# Altium PCB EPS_v4.PcbDoc (part 1 of 2) (continued)
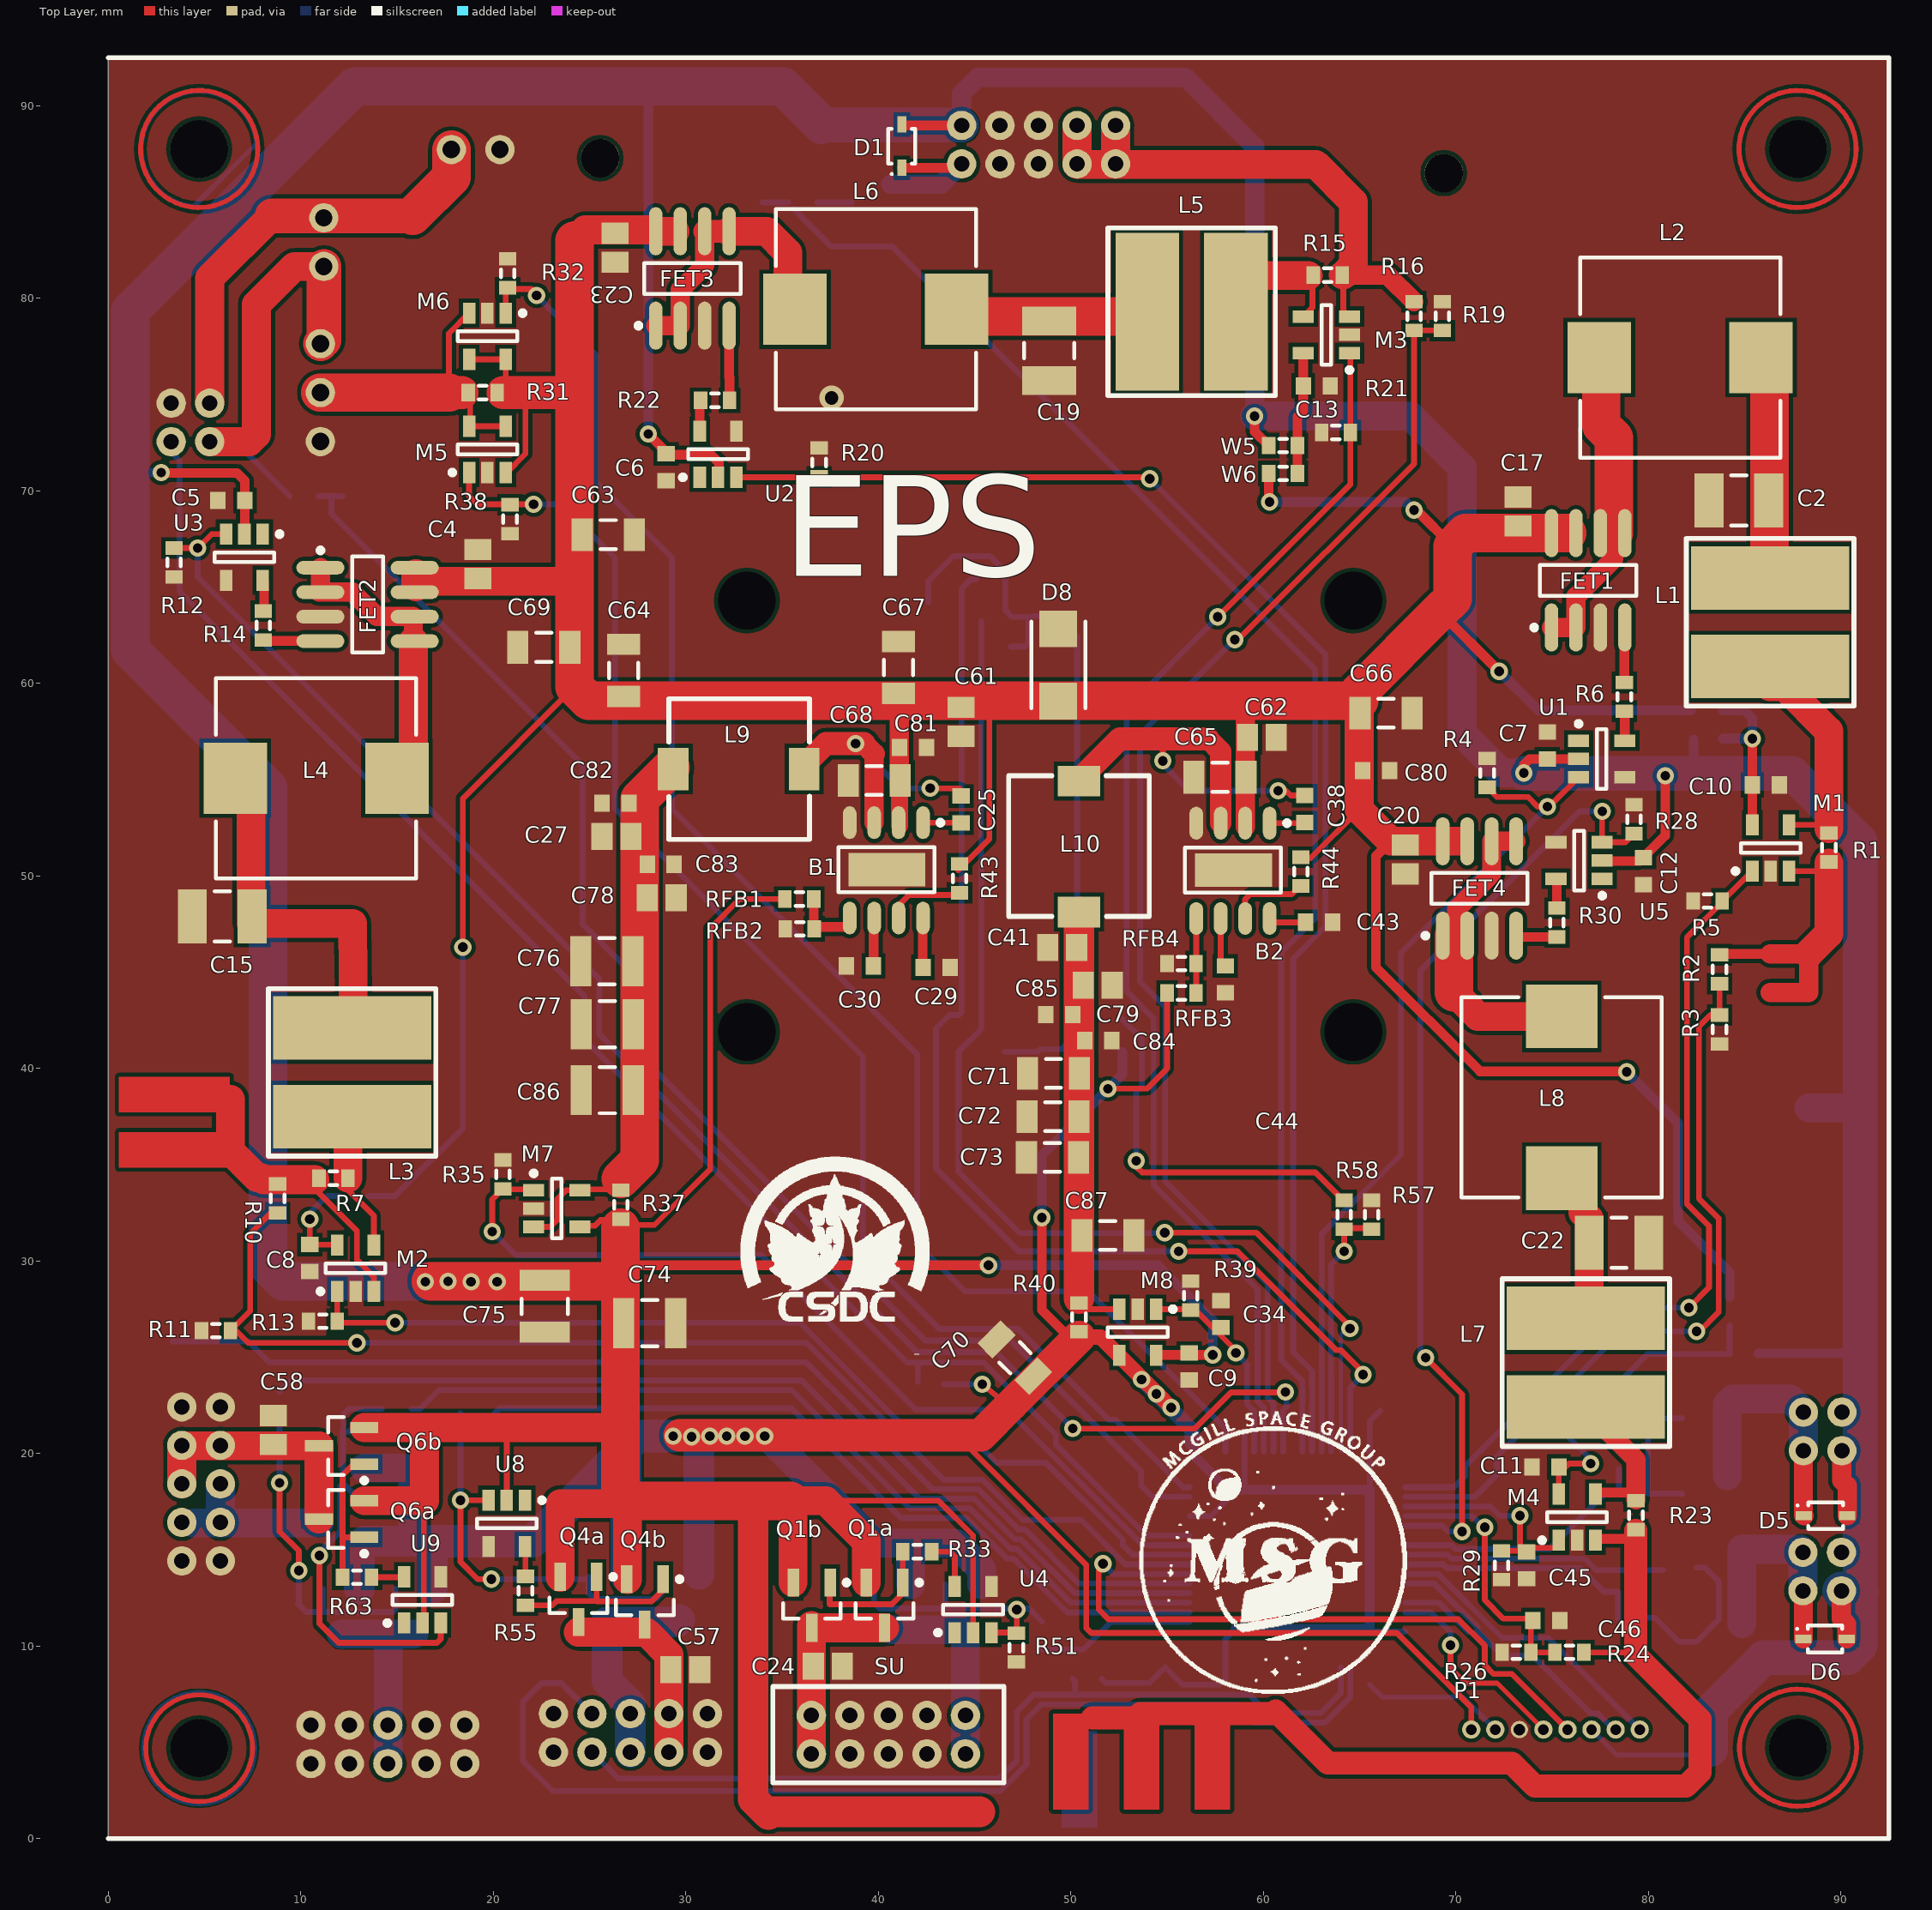
[diagram p0: Top Layer view]
## Design rules (kind name [scope] priority, off if disabled: settings)
Clearance [All] p1: gap=0.2 ignorepadtopadclearanceinfootprint=FALSE except(0: Arc-Hole Track-Hole SMDPad-Hole THPad-Hole Via-Hole Fill-Hole Poly-Hole Region-Hole Text-Hole)
HoleSize [All] p1: absolutevalues=TRUE maxlimit=3 minlimit=0.025 maxpercent=80.000 minpercent=20.000
MinimumSolderMaskSliver [All] p1: minsoldermaskwidth=0.09
NetAntennae [OnLayer('Top Layer')] p1: netantennaetolerance=0
PlaneClearance [All] p1: clearance=0.5
PlaneConnect [All] p1: planeconnectstyle=Direct reliefexpansion=0.508 reliefentries=4 reliefconductorwidth=0.254 reliefairgap=0.254
PolygonConnect PolygonConnect_1 [InNet('GND') vs IsTrack] p1: connectstyle=Direct reliefconductorwidth=0.254 reliefentries=4 polygonreliefangle="90 Angle" airgapwidth=0.254
PolygonConnect [All] p2: connectstyle=Direct reliefconductorwidth=0.4 reliefentries=4 polygonreliefangle="90 Angle" airgapwidth=0.15
RoutingVias [All] p1: holewidth=0.5 width=0.6 viastyle="Through Hole" minholewidth=0.5 minwidth=0.6 maxholewidth=0.6 maxwidth=0.9
SilkToSilkClearance [All] p1: silktosilkclearance=0.1
SilkToSolderMaskClearance [IsPad] p1: minsilkscreentomaskgap=0.1 clearancetoexposedcopper=TRUE
SolderMaskExpansion [All] p1: expansion=0.05
Width [All] p1: maxlimit=2.5 minlimit=0.2 preferedwidth=0.5 bottomlayer_maxwidth=2 minimp=50.000000 maximp=50.000000 favimp=50.000000
23 further rules are at their usual default settings.

## Classes and differential pairs
component class EPS_v6: ANT1 ANT2 B1 BAT1 Bat2 C2 C4 C5 C6 C7 C8 C9 C10 C11 C12 C13 C15 C17 C19 C20 C22 C23 C24 C25 C27 C29 C30 C31 C32 C33 C34 C35 C36 C37 C38 C39 C41 C42 C43 C44 C45 C46 C47 C48 C49 C51 C52 C53 C55 C56 C57 C58 C60 C61 C62 C63 C64 C65 C66 C67 C68 C69 C70 C71 C72 C73 C74 C75 C76 C77 C78 C79 C80 C81 C82 C83 C84 C85 C86 C87 D1 D5 D6 D8 DEPLOY1 FET1 FET2 FET3 FET4 HEAT1 HEAT2 L1 L2 L3 L4 L5 L6 L8 L9 L10 M1 M2 M3 M4 M5 M6 M7 M8 Q1a Q1b Q2 Q3a Q3b Q4a Q4b Q5a Q5b Q7 Q7b R1 R2 R3 R4 R5 R6 R7 R8 R10 R11 R12 R13 R14 R15 R16 R19 R20 R21 R22 R23 R24 R25 R26 R27 R28 R29 R30 R31 R32 R33 R34 R35 R36 R38 R39 R40 R41 R42 R43 R44 R45 R49 R50 R51 R52 R55 R56 R57 R58 R59 R60 R61 R62 R63 R64 RFB1 RFB2 RFB3 RFB4 U1 U2 U3 U4 U5 U6 U7 U8 U9 W1 W2 W3 W4 W5 W6 W7 W8

## Components (designator, comment, footprint, x,y, rotation, side; value= is the part's Value field where it differs from the comment)
ADCS "MOLEX  87831-1020" "2mm pitch con" 5.825,14.425 r90 bottom
Ant "Header 4" 2mm4way2row 88.05,22.15 r270 bottom
ANT1 "FDV305N" SOT-23_M 82.925,22.775 r0 bottom
ANT2 "FDV305N" SOT-23_M 82.925,18.85 r0 bottom
B1 "TPS54339E" DDA 42.2,50.925 r270 top
B2 "TPS54339E" DDA 60.2,50.9 r270 top
Bat "Header 2" Connector 11.05,84.175 r90 bottom
BAT1 "Battery" 18650_pack 16.175,19.3 r90 bottom locked
C2 "Cap" C1210_M 84.7,69.5 r0 top
C4 "Cap" C0805 19.2,66.2 r270 top
C5 "Cap" 1608[0603] 6.4,69.5 r0 top
C6 "Cap" 1608[0603] 28.975,71.225 r90 top
C7 "Cap" 1608[0603] 74.75,56.775 r270 top
C8 "Cap" 1608[0603] 10.475,30.15 r90 top
C9 "Cap" 1608[0603] 56.15,24.525 r90 top
C10 "Cap" 1608[0603] 86.1,54.725 r180 top
C11 "Cap" 1608[0603] 74.65,19.3 r0 top
C12 "Cap" 1608[0603] 79.75,50.25 r90 top
C13 "Cap" 1608[0603] 62.775,75.45 r180 top
C15 "Cap" C1210_M 5.925,47.9 r0 top
C17 "Cap" C0805 73.225,68.925 r270 top
C19 "Cap" C1210_M 48.875,77.275 r90 top
C20 "Cap" C0805 67.375,50.85 r90 top
C22 "Cap" C1210_M 78.475,30.95 r180 top
C23 "Cap" C0805 26.325,82.625 r90 top
C24 "Cap" C0805 37.375,8.95 r180 top
C25 "Cap" 1608[0603] 44.3,53.45 r90 top
C27 "Cap" C0805 26.4,52.05 r0 top
C29 "Cap" 1608[0603] 43.025,45.25 r180 top
C30 "Cap" 1608[0603] 39.05,45.325 r180 top
C31 "Cap" 1608[0603] 53,19.025 r0 bottom
C32 "Cap" 1608[0603] 52.875,21.95 r180 bottom
C33 "Cap" 1608[0603] 41.875,41.925 r270 bottom
C34 "Cap" 1608[0603] 57.8,27.25 r270 top
C35 "Cap" 1608[0603] 56.15,62.825 r270 bottom
C36 "Cap" 1608[0603] 55,44.1 r180 bottom
C37 "Cap" C0805 25.025,9.448 r0 bottom
C38 "Cap" 1608[0603] 62.15,53.475 r90 top
C39 "Cap" 1608[0603] 69.775,19.35 r0 bottom
C41 "Cap" C0805 49.55,46.275 r0 top
C42 "Cap" 1608[0603] 72.775,19.225 r180 bottom
C43 "Cap" 1608[0603] 62.9,47.6 r180 top
C44 "Cap" 1608[0603] 58.025,44.625 r270 top
C45 "Cap" 1608[0603] 73.675,14.2 r90 top
C46 "Cap" 1608[0603] 74.7,11.325 r180 top
C47 "Cap" 1608[0603] 48.65,17.4 r270 bottom
C48 "Cap" 1608[0603] 44.325,20.45 r0 bottom
C49 "Cap" 1608[0603] 47.325,20.575 r0 bottom
C50 "Cap" C0805 13.625,8.725 r0 bottom
C51 "Cap" 1608[0603] 54.2,8.9 r180 bottom
C52 "Cap" 1608[0603] 55.625,20.55 r180 bottom
C53 "Cap" 1608[0603] 66.725,22.025 r0 bottom
C54 "Cap" C0805 20.5,16.475 r90 bottom
C55 "Cap" 1608[0603] 49.7,64 r90 bottom
C56 "Cap" C0805 45.45,8.9 r180 bottom
C57 "Cap" C0805 29.975,8.775 r0 top
C58 "Cap" C0805 8.57,21.225 r90 top
C59 "Cap" C0805 8.4,15.5 r90 bottom
C60 "Cap" 1608[0603] 48.3,41.7 r90 bottom
C61 "Cap" C0805 44.3,58 r90 top
C62 "Cap" C0805 59.925,57.2 r180 top
C63 "Cap" C1206 25.975,67.725 r180 top
C64 "Cap" C1206 26.775,60.675 r270 top
C65 "Cap" C1206 57.75,55.125 r0 top
C66 "Cap" C1206 66.375,58.45 r180 top
C67 "Cap" C1206 41.05,60.825 r270 top
C68 "Cap" C1206 39.787,54.95 r0 top
C69 "Cap" C1206 22.625,61.875 r0 top
C70 "Cap" C1206 47.1,24.975 r315 top
C71 "Cap" C1206 49.1,39.75 r0 top
C72 "Cap" C1206 49.075,37.5 r0 top
C73 "Cap" C1206 49.05,35.375 r0 top
C74 "Cap" C1210 28.125,26.775 r0 top
C75 "Cap" C1210 22.675,27.65 r270 top
C76 "Cap" C1210 25.9,45.575 r180 top
C77 "Cap" C1210 25.925,42.3 r180 top
C78 "Cap" C0805 28.75,48.875 r0 top
C79 "Cap" C0805 51.4,44.325 r180 top
C80 "Cap" 1608[0603] 65.85,55.475 r180 top
C81 "Cap" 1608[0603] 41.8,56.675 r180 top
C82 "Cap" 1608[0603] 26.35,53.775 r0 top
C83 "Cap" 1608[0603] 28.7,50.6 r180 top
C84 "Cap" 1608[0603] 51.425,41.45 r180 top
C85 "Cap" 1608[0603] 49.4,42.8 r0 top
C86 "Cap" C1210 25.925,38.875 r180 top
C87 "Cap" C1206 51.925,31.325 r0 top
CB1 "Header 3" Connector_3 11.225,82.5 r90 bottom
CB2 "Header 2" Connector 20.35,87.875 r0 bottom
COMM "MOLEX  87831-1020" "2mm pitch con" 10.525,3.9 r0 bottom
D1 "PMEG2005AEA" "SOD323 - duplicate" 41.225,87.9 r90 top
D5 "PMEG2005AEA" "SOD323 - duplicate" 89.2,16.775 r0 top
D6 "PMEG2005AEA" "SOD323 - duplicate" 89.175,10.375 r0 top
D8 "D Zener" BZG03C 49.35,60.95 r270 top
DEPLOY1 "FDV305N" SOT-23_M 39.8,85.925 r0 bottom
FET1 "FDFS6N548" SO8_M 76.875,65.35 r90 top
FET2 "FDFS6N548" SO8_M 13.475,64.1 r0 top
FET3 "FDFS6N548" SO8_M 30.35,81.025 r90 top
FET4 "FDFS6N548" SO8_M 71.225,49.35 r90 top
HEAT1 "FDV305N" SOT-23_M 83.675,15.025 r0 bottom
HEAT2 "FDV305N" SOT-23_M 83.675,11.175 r0 bottom
Heaters "Header 4" 2mm4way2row 88.025,14.875 r270 bottom
L1 "VLP8040" 22uH2.2A 86.475,59.325 r90 top
L2 "B82464G4333M" EPCOS104x104 81.65,76.925 r180 top
L3 "VLP8040" 22uH2.2A 12.825,35.95 r90 top
L4 "B82464G4333M" EPCOS104x104 10.8,55.075 r0 top
L5 "VLP8040" 22uH2.2A 60.125,79.45 r180 top
L6 "B82464G4333M" EPCOS104x104 39.875,79.425 r180 top
L7 "VLP8040" 22uH2.2A 76.9,20.875 r90 top
L8 "B82464G4333M" EPCOS104x104 75.5,38.5 r90 top
L9 "744777004" 4.7uH4A 26.225,55.9 r180 top
L10 "744777004" 4.7uH4A 50.075,45 r270 top
M1 "INA139" SOT-23-OT5_N 86.35,51.45 r90 top
M2 "INA139" SOT-23-OT5_N 12.85,29.625 r90 top
M3 "INA139" SOT-23-OT5_N 63.275,78.1 r180 top
M4 "INA139" SOT-23-OT5_N 76.3,16.7 r90 top
M5 "INA139" SOT-23-OT5_N 19.7,72.15 r90 top
M6 "INA139" SOT-23-OT5_N 19.7,78.025 r270 top
M7 "INA139" SOT-23-OT5_N 23.3,32.725 r0 top
M8 "INA139" SOT-23-OT5_N 53.475,26.3 r270 top
OBC "MOLEX  87831-1020" "2mm pitch con" 23.125,4.492 r0 bottom
P1 "Header 8" "Header 1.5mm pitch 8way" 68.875,4.268 r0 top
Q1a "MOSFET-P" SOT-23_M 40.325,12.125 r270 top
Q1b "MOSFET-P" SOT-23_M 36.55,12.125 r270 top
Q2a "MOSFET-P" SOT-23_M 15.875,11.8 r270 bottom
Q2b "MOSFET-P" SOT-23_M 12.1,11.8 r270 bottom
Q3a "MOSFET-P" SOT-23_M 40.725,12.025 r270 bottom
Q3b "MOSFET-P" SOT-23_M 44.425,12.025 r270 bottom
Q4a "MOSFET-P" SOT-23_M 24.425,12.425 r270 top
Q4b "MOSFET-P" SOT-23_M 27.875,12.3 r270 top
Q5a "MOSFET-P" SOT-23_M 25.9,12.425 r270 bottom
Q5b "MOSFET-P" SOT-23_M 29.675,12.55 r270 bottom
Q6a "MOSFET-P" SOT-23_M 12.125,16.6 r180 top
Q6b "MOSFET-P" SOT-23_M 12.125,20.4 r180 top
Q7 "MOSFET-P" SOT-23_M 51.3,41.7 r180 bottom
Q7a "MOSFET-P" SOT-23_M 12.125,16.4 r180 bottom
Q7b "MOSFET-P" SOT-23_M 12.125,20.2 r180 bottom
R1 "Res1" J1-0603 89.375,51.475 r270 top
R2 "Res1" J1-0603 83.7,45.15 r90 top
R3 "Res1" J1-0603 83.7,42.025 r90 top
R4 "Res1" J1-0603 71.625,55.35 r90 top
R5 "Res1" J1-0603 83.075,48.7 r0 top
R6 "Res1" J1-0603 78.75,59.3 r90 top
R7 "Res1" J1-0603 11.7,34.3 r180 top
R8 "Res1" J1-0603 36.075,84.975 r180 bottom
R10 "Res1" J1-0603 8.8,33.25 r90 top
R11 "Res1" J1-0603 5.6,26.383 r0 top
R12 "Res1" J1-0603 3.425,66.275 r270 top
R13 "Res1" J1-0603 11.15,26.875 r0 top
R14 "Res1" J1-0603 8.05,63 r270 top
R15 "Res1" J1-0603 63.35,81.2 r0 top
R16 "Res1" J1-0603 67.825,79.075 r90 top
R19 "Res1" J1-0603 69.3,79.075 r270 top
R20 "Res1" J1-0603 36.925,71.475 r90 top
R21 "Res1" J1-0603 63.775,73.025 r0 top
R22 "Res1" J1-0603 31.525,74.7 r0 top
R23 "Res1" J1-0603 79.35,16.8 r270 top
R24 "Res1" J1-0603 75.9,9.675 r0 top
R25 "Res1" J1-0603 79.25,11.475 r180 bottom
R26 "Res1" J1-0603 73.15,9.675 r0 top
R27 "Res1" J1-0603 79.225,17.925 r180 bottom
R28 "Res1" J1-0603 79.25,52.95 r90 top
R29 "Res1" J1-0603 72.375,14.2 r90 top
R30 "Res1" J1-0603 75.25,47.575 r270 top
R31 "Res1" J1-0603 19.45,75.1 r180 top
R32 "Res1" J1-0603 20.75,81.3 r90 top
R33 "Res1" J1-0603 42.025,14.9 r0 top
R34 "Res1" J1-0603 10.175,69.725 r180 bottom
R35 "Res1" J1-0603 20.5,34.5 r270 top
R36 "Res1" J1-0603 12.95,69.7 r180 bottom
R37 "Res1" J1-0603 26.625,32.925 r90 top
R38 "Res1" J1-0603 20.875,68.525 r90 top
R39 "Res1" J1-0603 56.225,28.2 r270 top
R40 "Res1" J1-0603 50.425,27.075 r90 top
R41 "Res1" J1-0603 8.9,22.475 r90 bottom
R42 "Res1" J1-0603 48.5,10.575 r270 bottom
R43 "Res1" J1-0603 44.225,49.875 r270 top
R44 "Res1" J1-0603 61.95,50.225 r270 top
R45 "Res1" J1-0603 33.3,84.975 r0 bottom
R49 "Res1" J1-0603 79.2,12.7 r180 bottom
R50 "Res1" J1-0603 78.475,19.9 r270 bottom
R51 "Res1" J1-0603 47.175,9.925 r270 top
R52 "Res1" J1-0603 10.275,23.125 r90 bottom
R54 "Res1" J1-0603 21.8,12.75 r270 bottom
R55 "Res1" J1-0603 21.675,12.875 r90 top
R56 "Res1" J1-0603 19.1,22.1 r0 bottom
R57 "Res1" J1-0603 65.625,32.4 r270 top
R58 "Res1" J1-0603 64.2,32.4 r270 top
R59 "Res1" J1-0603 43.425,64.2 r0 bottom
R60 "Res1" J1-0603 46.2,61.9 r180 bottom
R61 "Res1" J1-0603 50.85,8.3 r180 bottom
R62 "Res1" J1-0603 42.775,23.65 r0 bottom
R63 "Res1" J1-0603 12.925,13.575 r0 top
R64 "Res1" J1-0603 14.95,22.35 r0 bottom
RFB1 "Res1" J1-0603 35.9,48.8 r180 top
RFB2 "Res1" J1-0603 35.925,47.25 r0 top
RFB3 "Res1" J1-0603 55.75,43.925 r180 top
RFB4 "Res1" J1-0603 55.75,45.45 r0 top
STM1 "STM32L152" LQFP64_M 61.775,14.5 r0 bottom
SU "MOLEX  87831-1020" "2mm pitch con" 44.525,4.4 r180 top
Top "MOLEX  87831-1020" "2mm pitch con" 52.325,88.975 r180 bottom
U1 "MCP1416T-E/OT" SOT-23-OT5_N 77.575,56.075 r0 top
U2 "MCP1416T-E/OT" SOT-23-OT5_N 31.675,71.9 r90 top
U3 "MCP1416T-E/OT" SOT-23-OT5_N 7.075,66.55 r270 top
U4 "MCP1416T-E/OT" SOT-23-OT5_N 44.925,11.9 r90 top
U5 "MCP1416T-E/OT" SOT-23-OT5_N 76.4,50.8 r180 top
U6 "TC74A0-5.0VCTTR" SOT-23-CT5_N 46.6,64.4 r180 bottom
U7 "TC74A0-5.0VCTTR" SOT-23-CT5_N 45.375,41.825 r180 bottom
U8 "MCP1416T-E/OT" SOT-23-OT5_N 20.7,16.375 r270 top
U9 "MCP1416T-E/OT" SOT-23-OT5_N 16.325,12.4 r90 top
UMB "Header 4" 2mm4way2row 5.275,72.55 r90 bottom
W1 "Jumper" J1-0603 83.125,57.125 r180 bottom
W2 "Jumper" J1-0603 83.125,58.6 r180 bottom
W3 "Jumper" J1-0603 10.475,30.3 r270 bottom
W4 "Jumper" J1-0603 12.775,33.375 r0 bottom
W5 "Jumper" J1-0603 61.025,72.35 r180 top
W6 "Jumper" J1-0603 61.025,70.9 r180 top
W7 "Jumper" J1-0603 84.975,25.2 r0 bottom
W8 "Jumper" J1-0603 84.225,27.4 r90 bottom

## Footprints (in the part's own frame and the unit in brackets; to place one, negate y for a bottom-side part, rotate by r counter-clockwise, add the part's x,y. Pads: shape width x height; smd on the part's side, far side on the other; paste and mask are expansions set on the pad)
2mm4way2row [mm]
  round 1.524 hole 0.8: 1(0,0) 2(2,0) 3(0,-2) 4(2,-2)
  silkscreen extent -2,-4 4,2, body extent -2.32,-4.15 4.33,2.15, height 6.4
"2mm pitch con" [mil]
  round 60 hole 31.5: 1(0,0) 2(0,-78.74) 3(78.74,0) 4(78.74,-78.74) 5(157.48,0) 6(157.48,-78.74) 7(236.22,0) 8(236.22,-78.74) 9(314.96,0) 10(314.96,-78.74)
  silkscreen extent -79,-138 394,59, body extent -79,-138 394,59, height 260
4.7uH4A [mm]
  rect 1.6x2.2 smd: 1(-9.925,0.35) 2(-3.125,0.35)
  silkscreen extent -10.2,-3.3 -2.9,4, body extent -10.2,-3.3 -2.9,4, height 3
22uH2.2A [mm]
  rect 3.3x8.2 smd: 1(1.55,0.15) 2(6.15,0.15)
  silkscreen extent -0.5,-4.2 8.2,4.5, body extent -0.46,-4.16 8.16,4.46, height 3
1608[0603] [mm] "Chip Capacitor, Body 1.6x0.8mm, IPC High Density"
  rect 0.8x0.9 smd: 1(-0.7,0) 2(0.7,0)
  body extent -0.87,-0.48 0.87,0.48, height 1.3
18650_pack [mm]
  round 1.524 hole 3: 1(22.6,48.5) 2(45,48.5) 3(45,17) 4(22.6,17)
  silkscreen extent 18.09,12.46 49.54,53.01, body extent -0.8,0.15 68.41,65.36, height 21.2
BZG03C [mm] "Molded Inductor, 2-Leads, Body 4,50x2,80mm, IPC Medium Density"
  rect 1.9x1.95 smd: 1(-1.875,0) 2(1.875,0)
  silkscreen extent -2.25,-1.4 2.25,1.4, body extent -2.25,-1.4 2.25,1.4, height 2.3
C0805 [mm] "Chip Capacitor, Body 2.0x1.3mm, IPC High Density"
  rect 1.1x1.4 smd: 1(-0.75,0) 2(0.75,0)
  body extent -1.1,-0.72 1.1,0.72, height 1.4
C1206 [mm] "Chip Capacitor, Body 3.2x1.6mm, IPC High Density"
  rect 1.1x1.7 smd: 1(-1.35,0) 2(1.35,0)
  silkscreen extent -0.4,-0.75 0.4,0.75, body extent -1.7,-0.9 1.7,0.9, height 1.3
C1210 [mm] "Chip Capacitor, Body 3.2x2.5mm, IPC High Density"
  rect 1.1x2.6 smd: 1(-1.35,0) 2(1.35,0)
  silkscreen extent -0.4,-1.2 0.4,1.2, body extent -1.7,-1.35 1.7,1.35, height 1.3
C1210_M [mm] "Chip Capacitor, Body 3.2x2.5mm, IPC Low Density"
  rect 1.5x2.8 smd: 1(-1.55,0) 2(1.55,0)
  silkscreen extent -0.4,-1.3 0.4,1.3, body extent -1.7,-1.35 1.7,1.35, height 1.5
Connector [mm]
  round 1.524 hole 0.9: 1(-2.525,0.15) 2(0,0.15)
  silkscreen extent -4.06,-3.18 1.52,2.54, body extent -4.06,-3.18 1.52,2.54, height 10.16
Connector_3 [mm]
  round 1.524 hole 0.9: 1(-9.94,-0.2) 2(-7.4,-0.2) 3(-4.86,-0.2)
  silkscreen extent -11.4,-3.2 -3.6,2.54, body extent -11.4,-3.2 -3.6,2.54, height 7.62
DDA [mm]
  oval 1.7x0.7 smd: 1(-1.84,0.127) 2(-1.84,-1.143) 3(-1.84,-2.413) 4(-1.84,-3.683) 5(3.11,-3.683) 6(3.11,-2.413) 7(3.11,-1.143) 8(3.11,0.127)
  rect 1.75x4 smd: 4(0.6,-1.75)
  silkscreen extent -1.97,-4.28 1.78,1.15, body extent -1.39,-4.28 2.61,0.72, height 1.75
EPCOS104x104 [mm] "Precision Wire Wound Inductor, 2-Leads, Body 10,40x10,40mm, IPC Medium Density"
  rect 3.3x3.7 smd: 1(-4.2,0) 2(4.2,0)
  silkscreen extent -5.2,-5.2 5.2,5.2, body extent -5.2,-5.2 5.2,5.2, height 4.81
"Header 1.5mm pitch 8way" [mm]
  round 0.95 hole 0.55: 1(1.925,1.4) 2(3.175,1.4) 4(5.675,1.4) 5(6.925,1.4) 6(8.175,1.4) 7(9.425,1.4) 8(10.675,1.4)
  round 0.9 hole 0.6: 3(4.425,1.4)
  body extent 0.45,-0.65 12.2,2.55, height 4.2
J1-0603 [mm] "Chip Resistor, Body 1.6x0.8mm, IPC High Density"
  rect 0.7x0.9 smd: 1(-0.75,0) 2(0.75,0)
  silkscreen extent -0.2,-0.35 0.2,0.35, body extent -0.85,-0.48 0.85,0.48, height 0.9
LQFP64_M [mm] "Thin QFP, 64-Leads, Body 10x10mm, Pitch 0.5mm, IPC Low Density"
  oval 2.1x0.3 smd: 1(-5.6,3.75) 2(-5.6,3.25) 3(-5.6,2.75) 4(-5.6,2.25) 5(-5.6,1.75) 6(-5.6,1.25) 7(-5.6,0.75) 8(-5.6,0.25) 9(-5.6,-0.25) 10(-5.6,-0.75) 11(-5.6,-1.25) 12(-5.6,-1.75) 13(-5.6,-2.25) 14(-5.6,-2.75) 15(-5.6,-3.25) 16(-5.6,-3.75) 33(5.6,-3.75) 34(5.6,-3.25) 35(5.6,-2.75) 36(5.6,-2.25) 37(5.6,-1.75) 38(5.6,-1.25) 39(5.6,-0.75) 40(5.6,-0.25) 41(5.6,0.25) 42(5.6,0.75) 43(5.6,1.25) 44(5.6,1.75) 45(5.6,2.25) 46(5.6,2.75) 47(5.6,3.25) 48(5.6,3.75)
  oval 0.3x2.1 smd: 17(-3.75,-5.6) 18(-3.25,-5.6) 19(-2.75,-5.6) 20(-2.25,-5.6) 21(-1.75,-5.6) 22(-1.25,-5.6) 23(-0.75,-5.6) 24(-0.25,-5.6) 25(0.25,-5.6) 26(0.75,-5.6) 27(1.25,-5.6) 28(1.75,-5.6) 29(2.25,-5.6) 30(2.75,-5.6) 31(3.25,-5.6) 32(3.75,-5.6) 49(3.75,5.6) 50(3.25,5.6) 51(2.75,5.6) 52(2.25,5.6) 53(1.75,5.6) 54(1.25,5.6) 55(0.75,5.6) 56(0.25,5.6) 57(-0.25,5.6) 58(-0.75,5.6) 59(-1.25,5.6) 60(-1.75,5.6) 61(-2.25,5.6) 62(-2.75,5.6) 63(-3.25,5.6) 64(-3.75,5.6)
  silkscreen extent -5.72,-4.15 4.15,4.57, body extent -5,-5 5,5, height 1.6
SO8_M [mm] "SOIC, 8-Leads, Body 4.9x3.9mm, Pitch 1.27mm, IPC Low Density"
  oval 2.5x0.7 smd: 1(-2.45,1.905) 2(-2.45,0.635) 3(-2.45,-0.635) 4(-2.45,-1.905) 5(2.45,-1.905) 6(2.45,-0.635) 7(2.45,0.635) 8(2.45,1.905)
  silkscreen extent -2.57,-2.5 0.8,2.93, body extent -2,-2.5 2,2.5, height 1.75
"SOD323 - duplicate" [mm]
  rect 0.85x0.45 smd: 1(-1.125,0) 2(1.125,0)
  silkscreen extent -1.5,-0.7 0.9,0.7, body extent -0.9,-0.67 0.9,0.67, height 1.1
SOT-23-CT5_N [mm] "SOT23, 5-Leads, Body 2.9x1.6mm, Pitch 0.95mm, Lead Span 2.7mm, IPC Medium Density"
  rect 1.1x0.65 smd: 1(-1.2,0.95) 2(-1.2,0) 3(-1.2,-0.95) 4(1.2,-0.95) 5(1.2,0.95)
  silkscreen extent -1.33,-1.55 0.25,1.95, body extent -0.9,-1.55 0.9,1.55, height 1.45
SOT-23-OT5_N [mm] "SOT23, 5-Leads, Body 2.9x1.6mm, Pitch 0.95mm, Lead Span 2.7mm, IPC Medium Density"
  rect 1.1x0.65 smd: 1(-1.2,0.95) 2(-1.2,0) 3(-1.2,-0.95) 4(1.2,-0.95) 5(1.2,0.95)
  silkscreen extent -1.32,-1.55 0.25,1.95, body extent -0.9,-1.55 0.9,1.55, height 1.45
SOT-23_M [mm] "SOT23, 3-Leads, Body 2.9x1.3mm, Pitch 0.95mm, Lead Span 2.5mm, IPC Low Density"
  rect 1.45x0.6 smd: 1(-1.175,0.95) 2(-1.175,-0.95) 3(1.175,0)
  silkscreen extent -1.3,-1.5 0.7,1.92, body extent -0.7,-1.5 0.7,1.5, height 1.1

## Part data
ADCS COMM OBC SU Top: library part "Header 10", "Header, 10-Pin"
Ant Heaters UMB: "Header, 4-Pin"
ANT1 ANT2 DEPLOY1 HEAT1 HEAT2: library part MOSFET-N, "N-Channel MOSFET"
B1 B2: library part TPS54228D, "Buck Step Down Regulator with 4.5 to 18 V Input and 0.76 to 7 V Output, -40 to 85 degC, 8-Pin SOIC (D), Green (RoHS & no Sb/Br)"
Bat CB2: "Header, 2-Pin"
BAT1: "Multicell Battery"
C2 C4 C5 C6 C7 C8 C9 C10 C11 C12 C13 C15 C17 C19 C20 C22 C23 C24 C25 C27 C29 C30 C31 C32 C33 C34 C35 C36 C37 C38 C39 C41 C42 C43 C44 C45 C46 C47 C48 C49 C50 C51 C52 C53 C54 C55 C56 C57 C58 C59 C60 C61 C62 C63 C64 C65 C66 C67 C68 C69 C70 C71 C72 C73 C74 C75 C76 C77 C78 C79 C80 C81 C82 C83 C84 C85 C86 C87: "Capacitor"
CB1: "Header, 3-Pin"
D1 D5 D6: library part Diode, "Default Diode"
D8: "Zener Diode"
FET1 FET2 FET3 FET4: library part Mosfet
L1 L3 L5 L7 L8 L9 L10: library part Inductor, "Inductor"
L2 L4 L6: library part 744325240, "SMD Flat Wire High Current Inductor WE-HCI, L=2.40 µH"
P1: "Header, 8-Pin"
Q1a Q1b Q2a Q2b Q3a Q3b Q4a Q4b Q5a Q5b Q6a Q6b Q7 Q7a Q7b: "P-Channel MOSFET"
R1 R2 R3 R4 R5 R6 R7 R8 R10 R11 R12 R13 R14 R15 R16 R19 R20 R21 R22 R23 R24 R25 R26 R27 R28 R29 R30 R31 R32 R33 R34 R35 R36 R37 R38 R39 R40 R41 R42 R43 R44 R45 R49 R50 R51 R52 R54 R55 R56 R57 R58 R59 R60 R61 R62 R63 R64 RFB1 RFB2 RFB3 RFB4: "Resistor"
STM1: library part STM32F103R6T6, "STM32 ARM-based 32-bit MCU with 32 Kbytes Flash, 64-pin LQFP, Industrial Temperature"
U1 U2 U3 U4 U5 U8 U9: "Tiny 1.5A, High-Speed Power MOSFET Driver, Non Inverting, Extended Temperature, Tape and Reel"
U6 U7: "Tiny Serial Digital Thermal Sensor, 5-Pin SOT-23, Extended Temperature, Tape and Reel"
W1 W2 W3 W4 W5 W6 W7 W8: "Jumper Wire"

## Free pads (board coordinates)
  round 3 hole 3: 1(4.725,4.7) 2(4.725,87.75) 3(87.775,87.75) 4(87.775,4.725)
  round 2 hole 2: 2(25.55,87.275) 2(69.375,86.5)

## Via types
v1: diameter 0.9, hole 0.5, Top Layer to Bottom Layer, 69 vias
v2: diameter 1.27, hole 0.711, Top Layer to Bottom Layer, 1 vias

## Nets (pads, with @x,y where several pads share a name; then routed paths per layer and width w, separated by ;. In a path a pad name is that pad's centre, name@x,y a point inside that pad or via, vN(x,y) a via of type N, cw(c..) or ccw(c..) an arc to the next point about the centre after c; other vN are vias at no path point)
3_3V: C51.1 C52.1 C53.1 C54.1 C70.2 M8.4 P1.1 Q2a.2 Q2b.2 Q3a.2 Q3b.2 Q5a.2 Q5b.2 Q7.2 Q7a.2 Q7b.2 R40.1 R61.1 R62.2 RFB3.2 STM1.13 STM1.19 STM1.32 STM1.48 STM1.64 | length 209.6
  Top Layer w0.3: 44.7,20.325 50.8,14.225 50.8,10.95 51.067,10.683 66.942,10.683 70.8,6.825 P1.1@70.8,5.668 ; v1(45.4,23.6) 46.675,22.55 46.925,22.55 ; 49.9,26.05 R40.1@50.425,26.05 ; v1(51.925,38.95) 53.95,38.95 55,40 RFB3.2@55,43.925 RFB3.2@55,44.025
  Top Layer w0.5: v1(48.5,32.25) 48.5,27.45 49.9,26.05
  Top Layer w0.8: R40.1@50.425,26.05 51.55,26.05 52.512,25.087 53.712,23.887 54.475,23.125 v1(55.212,22.388)
  Top Layer w1.7: v1@29.675,20.95 31.25,20.95 45.325,20.95 46.925,22.55 R40.1@50.425,26.05
  Bottom Layer w0.3: R62.2@43.425,23.6 v1(45.4,23.6) ; R61.1@51.6,8.3 51.813,8.087 54.087,8.087 C51.1@54.9,8.9 55.8,8 57.7,8 58.025,8.325 STM1.64@58.025,8.9 58.025,10.375 58.55,10.9 ; STM1.13@56.175,16.75 57.282,16.75 57.575,17.043 57.575,17.05 58.65,18.125 ; 59,18.125 59.025,18.15 STM1.19@59.025,20.1 STM1.19@59.025,20.975 ; 65.4,10.9 65.525,10.775 65.55,10.75 STM1.48@67.375,10.75 ; 65.525,18.125 STM1.32@65.525,20.1 65.525,21.675 65.95,22.1 C53.1@66.075,22.225
  Bottom Layer w0.5: v1(48.5,32.25) 48.5,35.5 52.675,39.675 Q7.2@52.675,40.85 ; C52.1@56.4,20.55 56.4,19.875 58.15,18.125 58.65,18.125 59,18.125 65.525,18.125 65.525,10.775 ; 58.55,10.9 65.4,10.9
  Bottom Layer w0.8: v1(53.675,23.85) 56.325,21.2 C52.1@56.325,20.55
  Bottom Layer w1.5: Q7b.2@13.3,19.25 15.35,19.25 15.825,18.775 15.825,15.475 ; v1@34.25,20.9 39.8,15.35 41.7,15.35 ; Q3a.2@41.675,13.2 41.675,15.325 41.7,15.35 ; Q3b.2@45.375,13.2 45.375,13.975 44,15.35 41.7,15.35
  Bottom Layer w1.6: Q2b.2@13.05,12.975 13.05,15.2 Q7a.2@13.3,15.45 16.8,15.45 16.825,15.425 Q2a.2@16.825,12.975 ; Q5a.2@26.9,13.6 26.9,20.3 ; v1(29.35,20.9) 30.575,20.9 v1(31.25,20.9) v1(32.125,20.9) v1(33.075,20.9) v1(34.1,20.9) v1@34.25,20.9 ; Q5b.2@30.675,13.725 v1@30.675,20.8
  Bottom Layer w1.7: 16.8,15.45 22.05,15.45 26.875,20.275 ; 26.9,20.3 27.5,20.9 v1(29.35,20.9) ; v1@30.575,20.9 v1@30.675,20.8
  other v1: 30.3,20.875 54.45,23.1
12V: B1.2 B2.2 C4.2 C17.2 C20.2 C23.2 C61.2 C62.2 C63.2 C64.2 C65.2 C66.2 C67.2 C68.2 C69.2 C80.2 C81.2 D8.2 FET1.7 FET1.8 FET2.7 FET2.8 FET3.7 FET3.8 FET4.7 FET4.8 M5.3 M6.4 M6.5 R31.1 R43.1 R44.1 W2.2 W4.2 W6.2 W8.2 | length 239.5
  Top Layer w0.3: v1(18.425,46.3) 18.425,54.025 24.225,59.825 ; M6.4@18.75,76.825 M6.5@20.65,76.825 20.65,75.3 20.45,75.1 20.85,75.1 21.675,74.275 21.675,71.925 M5.3@20.7,70.95 ; R31.1@20.35,75.2 20.25,75.1 20.575,74.775 ; R43.1@44.15,50.3 45.775,51.925 45.775,59.1 ; R44.1@61.95,50.925 62.45,50.925 64.975,53.45
  Top Layer w0.5: W6.2@60.275,70.9 60.275,69.475 v1(60.325,69.425) ; 66.625,51.8 65.85,51.025 65.85,45.25 71.25,39.85 78.85,39.85 v1(78.875,39.825) ; v1(67.825,69) 67.95,69 69.825,67.125 ; 69.15,63.725 v1(72.25,60.625)
  Top Layer w0.9: B1.2@41.1,52.608 C68.2@41.1,54.675
  Top Layer w1: C68.2@41.1,54.675 C67.2@41.1,58.925 ; B2.2@59.057,52.54 59.057,59.082 59.075,59.1
  Top Layer w1.5: FET2.8@15.985,65.7 15.985,65.025 16.26,65.3 23.575,65.3 ; 24.225,83 24.775,83.55 28,83.55 ; FET3.8@28.445,83.475 FET3.7@29.435,83.475 ; 64.975,59.55 64.975,59.1 64.975,53.45 66.625,51.8 FET4.8@69.32,51.8 70.2,51.8
  Top Layer w1.7: R31.1@20.5,75.1 23.725,75.1
  Top Layer w2: 24.225,83 24.225,59.825 24.95,59.1 45.775,59.1 59.075,59.1 C66.2@64.975,59.1 ; 64.975,59.55 69.15,63.725 69.825,64.4 69.825,67.125 70.5,67.8 FET1.8@74.97,67.8 75.775,67.8
  Bottom Layer w0.3: W4.2@13.525,33.375 14.9,33.375 18.425,36.9 v1(18.425,46.3)
  Bottom Layer w0.5: v1(60.325,69.425) 67.4,69.425 v1(67.825,69) ; v1(72.25,60.625) 74.275,58.6 W2.2@82.2,58.6 ; v1(78.875,39.825) 81.55,37.15 81.55,32.075 84.225,29.4 W8.2@84.225,28.15
ADCS_3_3V: ADCS.3 ADCS.4 ADCS.5 C59.2 Q7a.3 Q7b.3 | length 12.3
  Bottom Layer w1.5: ADCS.4@4.425,16.4 Q7a.3@10.95,16.4 Q7b.3@10.95,20.2 ; ADCS.3@5.825,16.425 ADCS.5@5.825,18.425
ADCS_5V: ADCS.6 ADCS.7 ADCS.8 C58.1 Q6a.3 Q6b.3 | length 12.9
  Top Layer w1.5: ADCS.6@3.825,18.425 3.825,20.4 Q6b.3@10.95,20.4 Q6a.3@10.95,16.6
ADCS_ONOFF: R64.2 STM1.4 | length 45.4
  Bottom Layer w0.3: R64.2@15.75,22.325 16.2,22.325 17.175,23.3 35.5,23.3 41.65,17.15 44.782,17.15 46.882,15.05 47.207,15.05 50.007,12.25 STM1.4@56.175,12.25
ADCS_ONOFFF2: Q7a.1 Q7b.1 R64.1 U9.3 | length 23.8
  Top Layer w0.3: v1(10.975,14.7) 10.975,11.175 11.975,10.175 17.075,10.175 17.275,10.375 U9.3@17.275,11.2
  Bottom Layer w0.3: v1(10.975,14.7) 10.975,14.9 11.375,15.3 11.406,15.3 12.05,15.944 12.05,18.3 12.2,18.45 ; Q7a.1@13.3,17.35 12.2,18.45 ; Q7b.1@13.3,21.15 12.225,21.15 ; R64.1@14.2,22.325 12.5,22.325 12.225,22.05 12.225,21.15 ; 12.2,18.45 12.2,21.175 12.225,21.15
BAT+: Bat.1 CB1.3 R34.2 UMB.1 | length 22.6
  Top Layer w1.5: UMB.1@5.275,72.55 7.325,72.55 7.7,72.925 7.7,79.675 9.675,81.65 Bat.1@11.2,81.65
  Top Layer w1.8: CB1.3@11.025,77.64 11.2,77.815 Bat.1@11.2,81.65
  Bottom Layer w0.3: UMB.1@5.7,72.55 6.6,72.55 R34.2@9.425,69.725
BAT-: Bat.2 CB2.1 UMB.2 | length 22.6
  Top Layer w1.5: UMB.2@5.275,74.55 5.275,81.05 8.5,84.275
  Top Layer w1.8: 8.5,84.275 15.8,84.275
  Top Layer w2: 15.8,84.275 17.825,86.3 CB2.1@17.825,87.725
BOTTOM: M4.3 R23.2 R24.2 | length 51.9
  Top Layer w0.3: R24.2@76.65,9.675 79.35,9.675
  Top Layer w0.5: M4.3@77.275,15.575 78.925,15.575
  Top Layer w1.2: 51.125,6.275 53.367,6.275 53.592,6.5 60.75,6.5 ; 60.647,6.631 63.354,3.925 72.906,3.925 74.106,2.725 81.95,2.725 82.677,3.452 82.677,6.198 79.35,9.525 79.35,9.675 R23.2@79.35,16
COMM_3_3V: C50.2 COMM.5 COMM.6 Q2a.3 Q2b.3 | length 10.4
  Bottom Layer w1.5: Q2b.3@12.125,10.6 Q2b.3@12.1,10.625 Q2a.3@15.875,10.625 ; COMM.5@14.55,3.9 14.55,10.5
COMM_ONOFF: R41.2 R52.2 STM1.5 | length 52.1
  Bottom Layer w0.3: R41.2@8.9,23.225 9.475,23.8 36,23.8 42.15,17.65 44.989,17.65 47.089,15.55 47.414,15.55 50.214,12.75 STM1.5@56.175,12.75
DEPLOYANT: R27.2 R50.2 STM1.39 | length 13.6
  Bottom Layer w0.3: STM1.39@67.375,15.25 69.764,15.25 69.964,15.05 74.875,15.05 77.7,17.875 78.425,17.875 R27.2@78.475,17.925 R50.2@78.475,19.2
DEPLOYBOTTOM: STM1.45 | length 3.9
  Bottom Layer w0.3: STM1.45@67.375,12.25 69.125,12.25 70.625,10.75
DEPLOYLEFT: STM1.6 | length 58
  Bottom Layer w0.3: 3.35,25.825 7.275,25.825 8.35,24.75 36.225,24.75 42.825,18.15 45.196,18.15 47.296,16.05 47.621,16.05 50.421,13.25 STM1.6@56.175,13.25
DEPLOYRIGHT: STM1.40 | length 13.7
  Bottom Layer w0.3: STM1.40@67.375,14.75 69.557,14.75 69.757,14.55 76.682,14.55 77.282,13.95 80.775,13.95
DEPLOYTOP: R8.2 R45.2 STM1.25 | length 80.1
  Bottom Layer w0.3: R45.2@34,84.975 R8.2@35.325,84.975 ; R8.2@35.6,84.65 37.55,82.7 40.7,82.7 62.7,60.7 62.7,47.807 60.925,46.032 60.925,24.875 62.025,23.775 62.025,23.331 62.035,23.321 62.035,22.679 62.025,22.669 62.025,21.7 STM1.25@62.025,20.1
GND: ADCS.1 ADCS.2 ADCS.9 ADCS.10 ANT1.2 ANT2.2 B1.4 B2.4 C2.1 C4.1 C5.1 C6.1 C7.1 C8.1 C9.1 C10.1 C11.1 C12.1 C13.1 C15.1 C17.1 C19.1 C20.1 C22.1 C23.1 C24.1 C27.1 C29.1 C30.2 C31.1 C32.1 C33.1 C34.1 C35.1 C36.1 C37.1 C39.1 C41.1 C42.1 C43.1 C44.2 C45.1 C46.1 C47.1 C48.1 C49.1 C50.1 C51.2 C52.2 C53.2 C54.2 C55.2 C56.1 C57.2 C58.2 C59.1 C60.2 C61.1 C62.1 C63.1 C64.1 C65.1 C66.1 C67.1 C68.1 C69.1 C70.1 C71.1 C72.1 C73.1 C74.2 C75.2 C76.2 C77.2 C78.2 C79.1 C80.1 C81.1 C82.1 C83.1 C84.1 C85.1 C86.2 C87.2 CB1.1 CB2.2 COMM.1 COMM.2 COMM.3 COMM.4 COMM.7 COMM.8 COMM.9 COMM.10 D8.1 DEPLOY1.2 FET1.3 FET2.3 FET3.3 FET4.3 HEAT1.2 HEAT2.2 M1.2 M2.2 M3.2 M4.2 M5.2 M6.2 M7.2 M8.2 OBC.1 OBC.2 OBC.9 OBC.10 P1.3 R3.1 R4.2 R5.1 R11.1 R12.2 R13.1 R19.1 R20.2 R21.1 R26.1 R28.2 R29.1 R32.2 R35.1 R36.1 R38.1 R39.1 R45.1 R49.1 R50.1 R51.2 R52.1 R54.2 R57.1 RFB2.1 RFB4.1 STM1.12 STM1.18 STM1.31 STM1.47 STM1.60 STM1.63 SU.3 SU.4 SU.5 SU.6 SU.7 SU.8 Top.5 Top.6 Top.7 Top.8 U1.4 U2.4 U3.4 U4.4 U5.4 U6.2 U7.2 U8.4 U9.4 UMB.4
  other v2: 37.575,74.825
HEATERS: R25.2 R49.2 STM1.41 | length 13
  Bottom Layer w0.3: STM1.41@67.375,14.25 69.35,14.25 69.55,14.05 76.475,14.05 77.7,12.825 78.425,12.825 R25.2@78.425,11.425
I2CRESET: R57.2 R58.2 STM1.28 | length 13.3
  Top Layer w0.305: v1(64.2,30.5) 64.2,31.7 R57.2@65.625,31.7
  Bottom Layer w0.3: STM1.28@63.525,20.1 63.525,22.047 63.535,22.058 63.535,23.942 63.525,23.953 63.525,29.825 v1(64.2,30.5)
I3_3V: C34.2 M8.1 R39.2 STM1.20 | length 10.8
  Top Layer w0.3: M8.1@54.425,27.5 56.425,27.5 58.575,25.35 v1(58.575,25.225)
  Bottom Layer w0.3: v1@58.7,25.225 v1(58.575,25.225) 59.15,24.65 59.15,22.565 59.525,22.19 STM1.20@59.525,20.1
I5V: C49.2 M7.1 R35.2 STM1.10 | length 47
  Top Layer w0.3: v1(19.95,31.525) 19.95,33.2 R35.2@20.475,33.725 ; R35.2@20.5,33.75 R35.2@20.475,33.725 ; M7.1@22.05,33.725 R35.2@20.475,33.725
  Bottom Layer w0.3: v1(19.95,31.525) 21.175,30.3 33.925,30.3 41.95,22.275 46.7,22.275 53.725,15.25 STM1.10@56.175,15.25